# Altium PCB PiTopUSBHub.PcbDoc
Units mm, origin at the board's own origin, x right, y up, seen from the top; angles counter-clockwise.
Board outline 74.56 x 84.41 mm, 2 copper layers (Top Layer, Bottom Layer), stack 1.071 mm thick; 22 components, 22 nets, 119 pads, 23 vias.
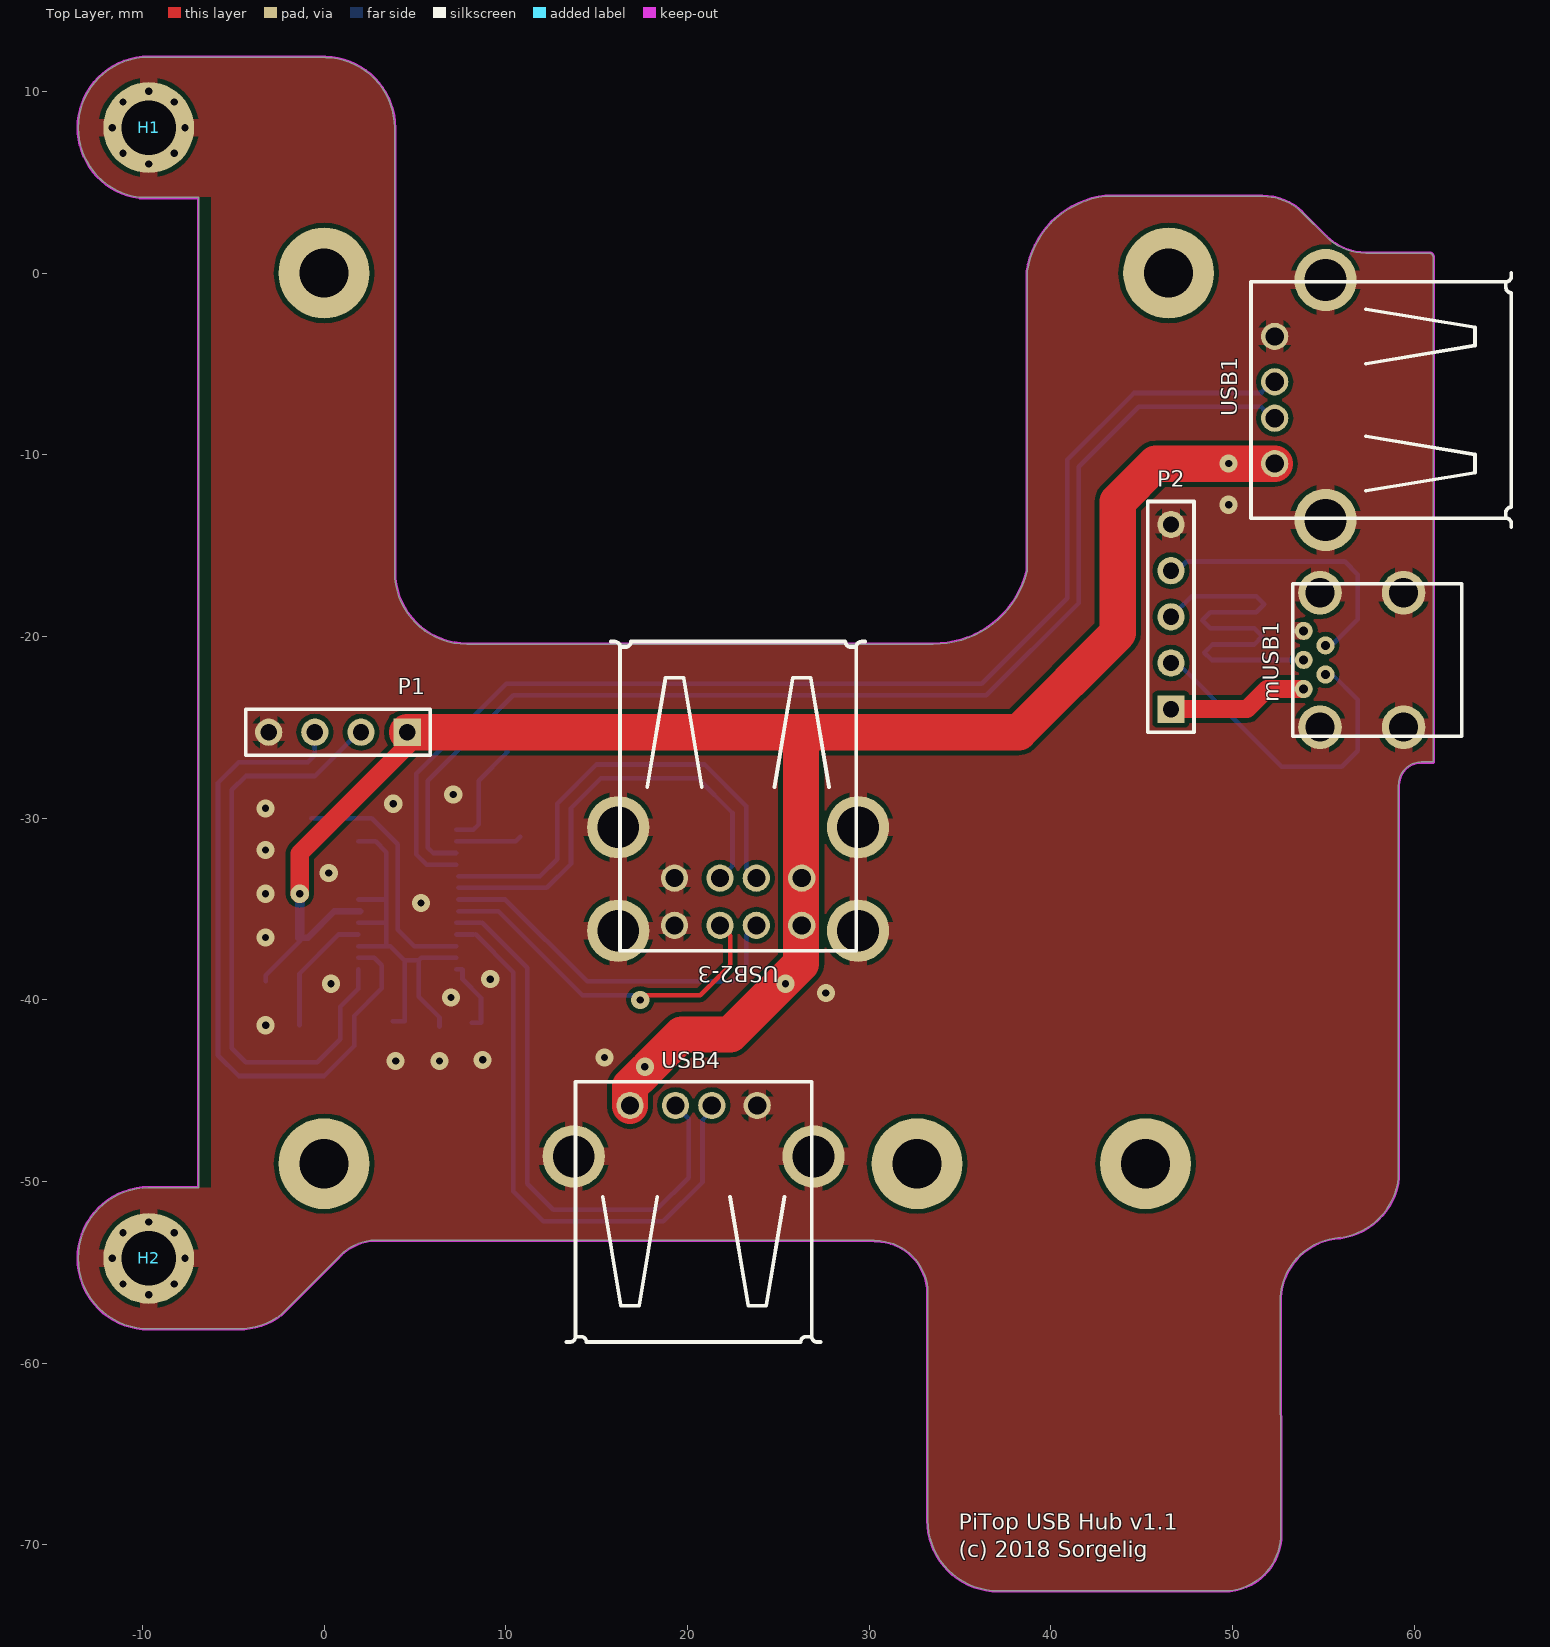
[diagram p0: Top Layer view]
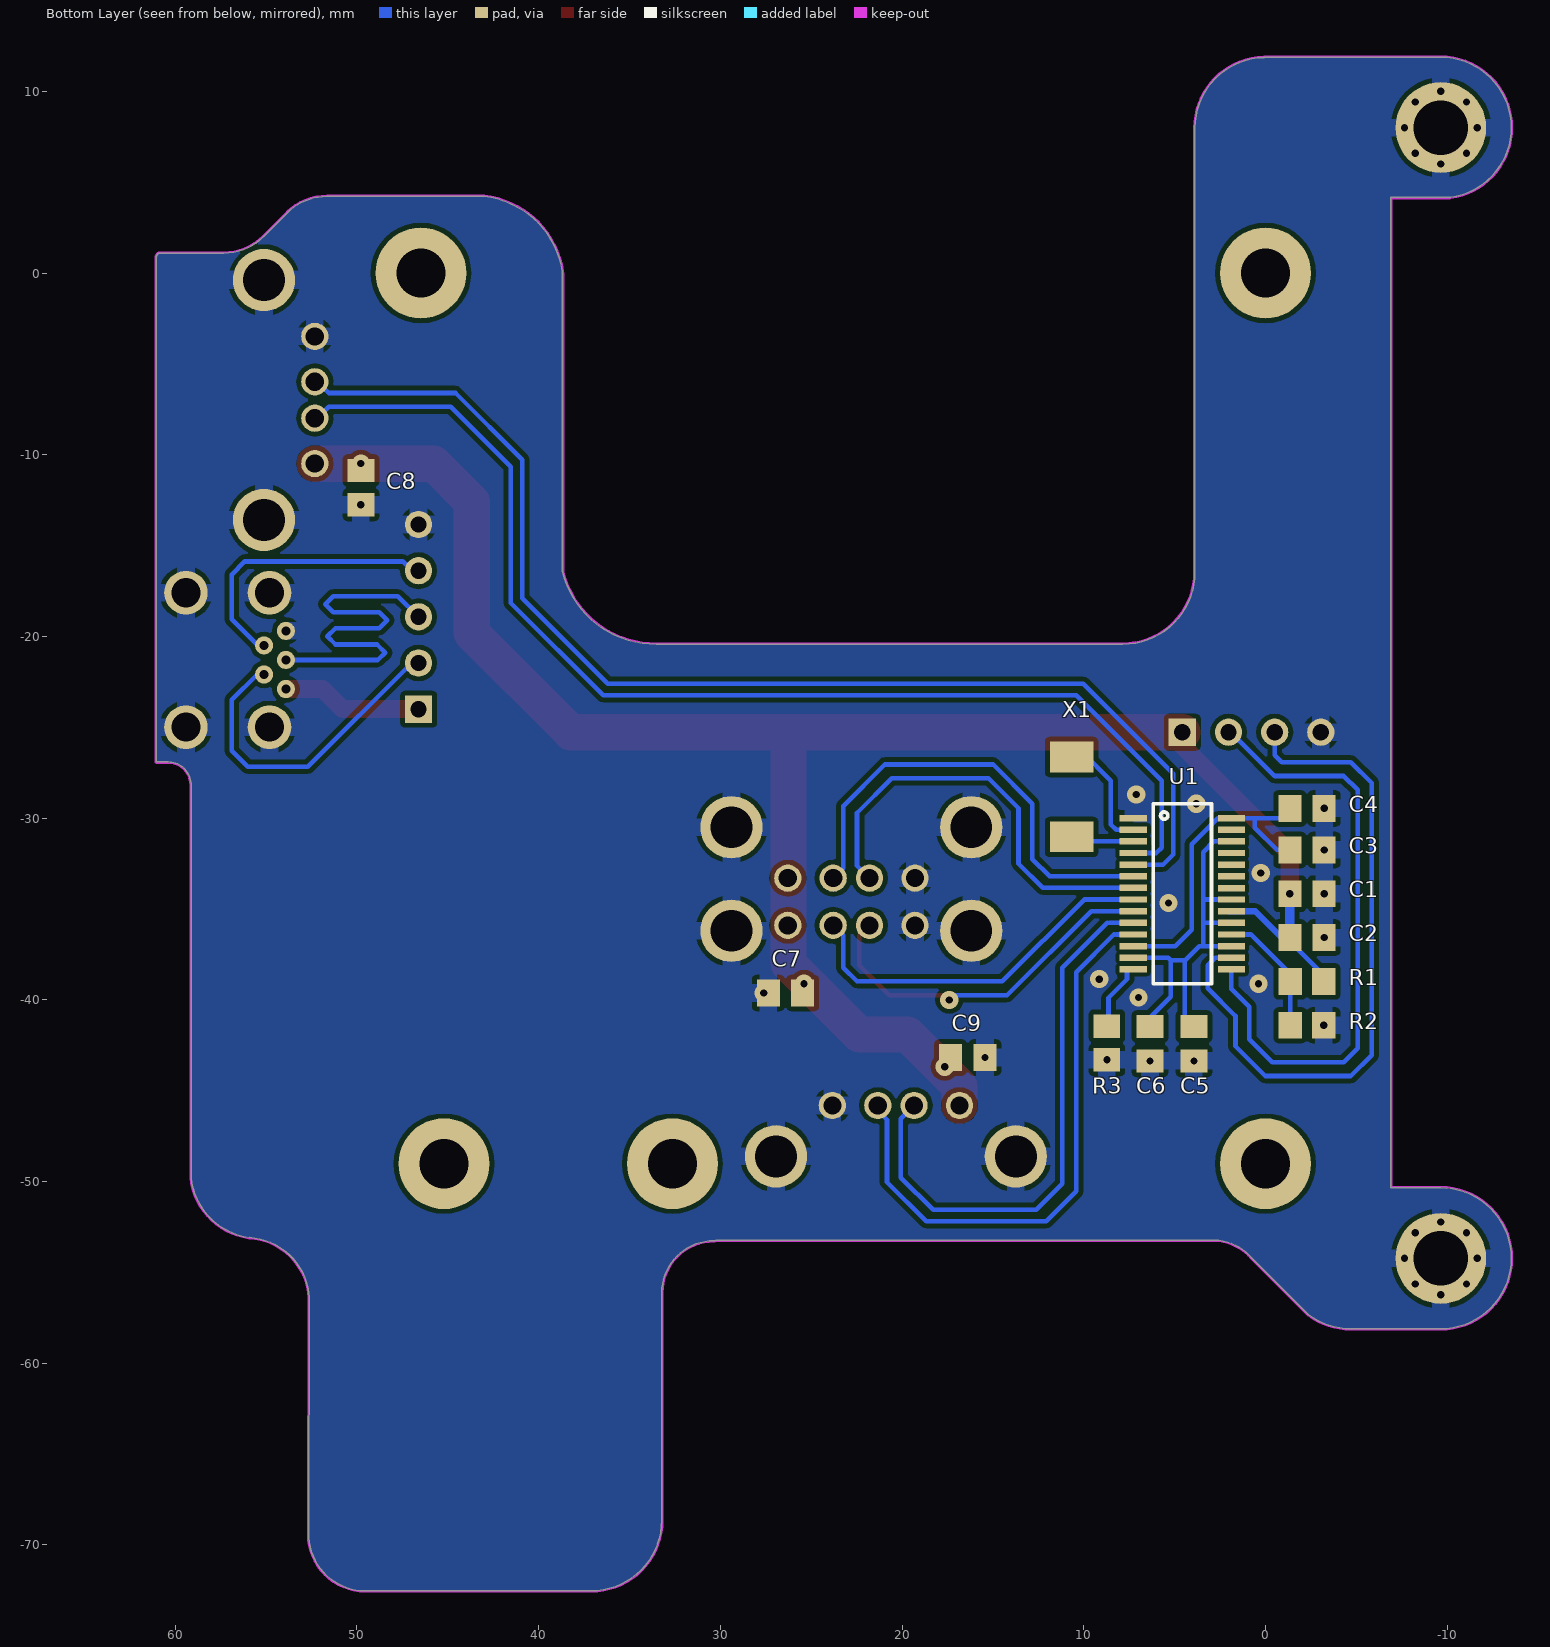
[diagram p1: Bottom Layer view, seen from below]
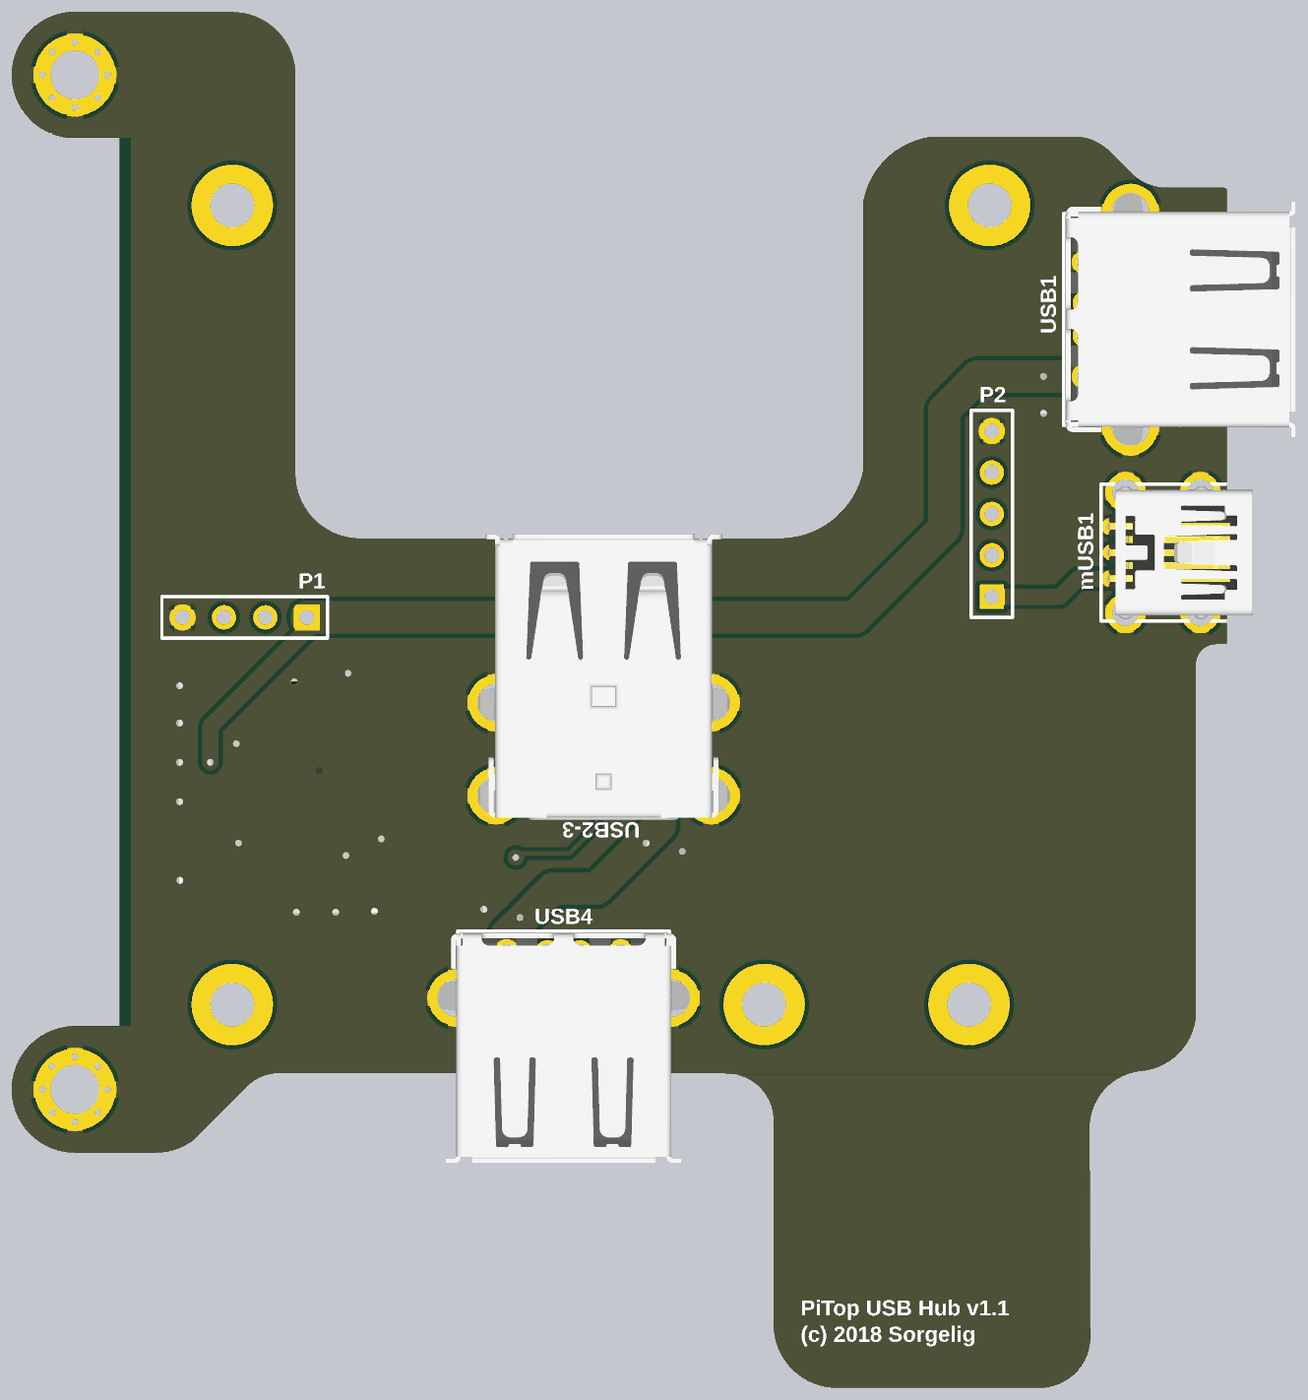
[diagram p2: 3D render of the assembled board from above, using the file's embedded part models]
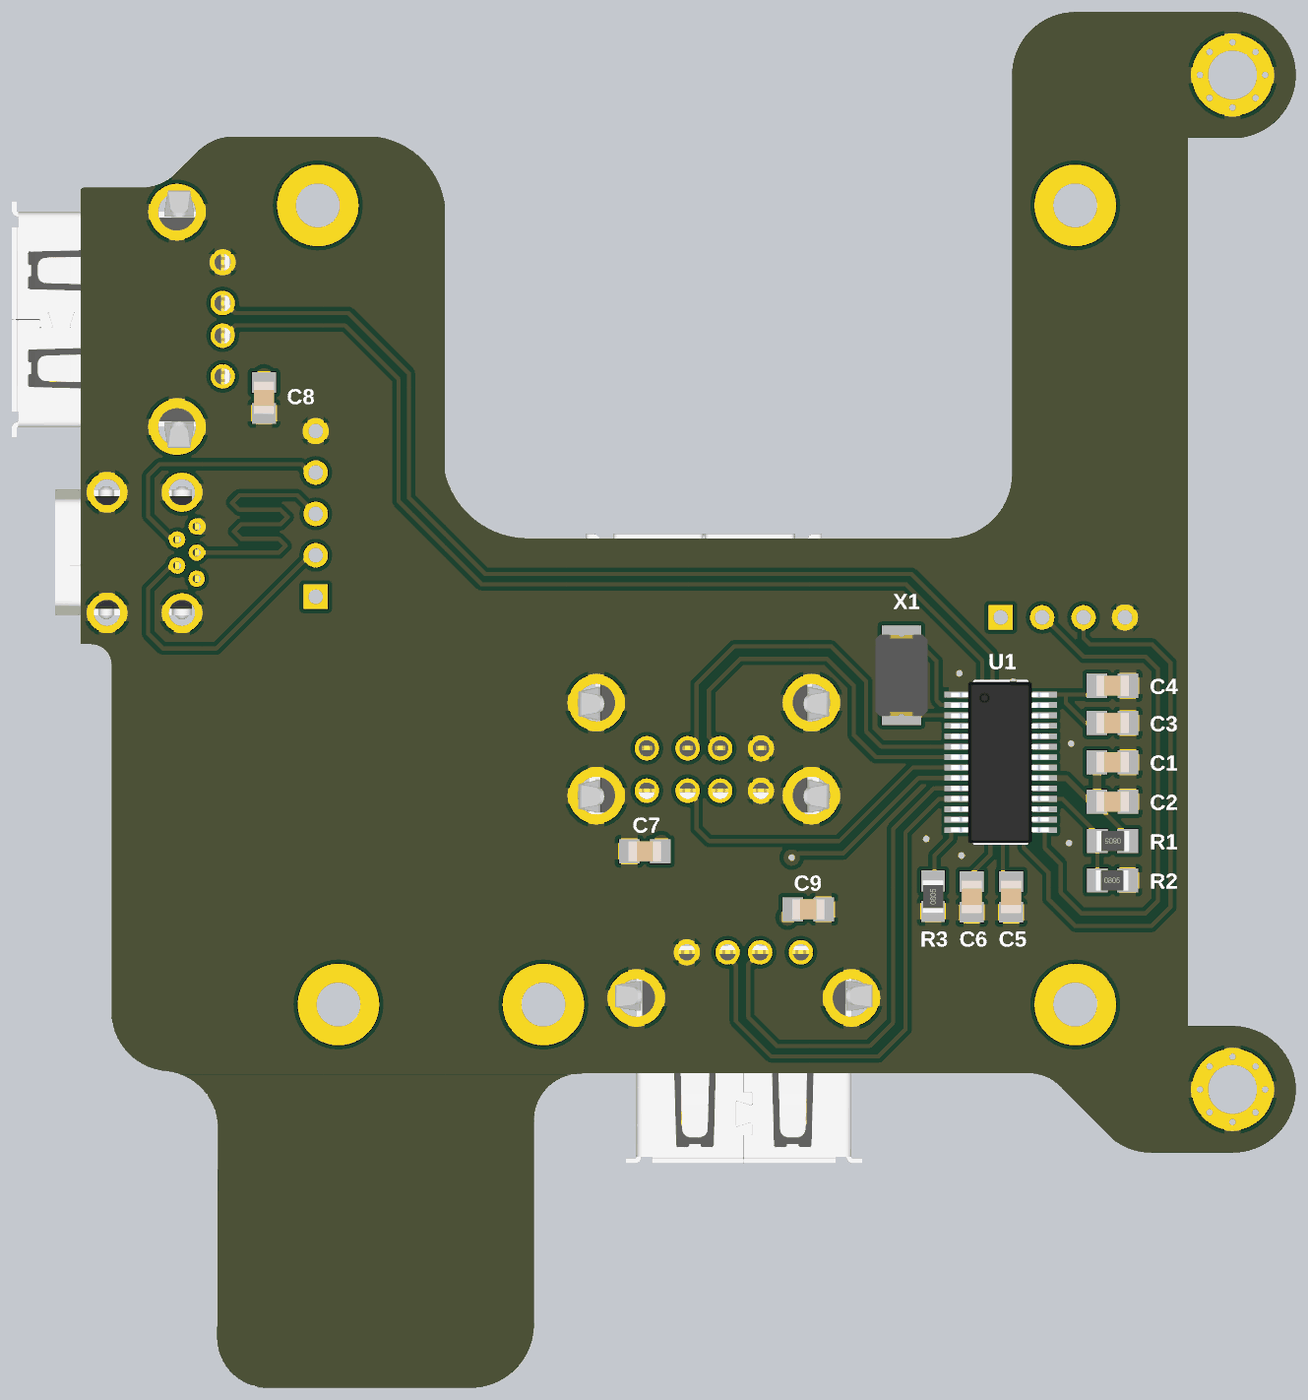
[diagram p3: 3D render of the assembled board from below, using the file's embedded part models]

## Layer stack, top to bottom
Top Solder: solder mask 0.0102, Solder Resist, Dk 3.5
Top Layer: signal copper 0.0356
Dielectric 1: dielectric 1, FR-4, Dk 4.8
Bottom Layer: signal copper 0.0356
Bottom Solder: solder mask 0.0102, Solder Resist, Dk 3.5

## Board outline
-9.652,-58.107 cw(c-9.652,-54.229) -13.53,-54.23 cw(c-9.644,-54.228) -9.652,-50.342 -6.905,-50.342 -6.905,4.159 -10.134,4.159 -10.148,4.159 cw(c-10.164,4.36) -10.192,4.161 cw(c-9.646,8.006) -13.53,8.001 cw(c-9.651,8) -9.66,11.879 0,11.879 cw(c0.001,11.683) 0.091,11.857 cw(c-0.001,7.979) 3.878,7.992 3.878,-16.462 ccw(c7.844,-16.459) 7.843,-20.426 33.495,-20.426 cw(c33.51,-20.553) 33.521,-20.425 ccw(c33.586,-15.177) 38.691,-16.398 38.691,0.007 cw(c39.088,0.007) 38.696,0.069 38.699,0.093 cw(c43.537,-0.649) 42.99,4.216 cw(c43.027,3.942) 43.022,4.218 cw(c43.045,3.949) 43.052,4.219 51.661,4.219 cw(c51.661,1.154) 53.829,3.321 55.162,1.988 ccw(c57.33,4.156) 57.33,1.09 58.955,1.09 60.833,1.09 cw(c60.833,0.889) 61.034,0.89 61.034,-26.912 60.397,-26.912 ccw(c60.397,-28.182) 59.127,-28.182 59.127,-28.906 59.127,-43.307 59.127,-49.784 cw(c55.44,-49.408) 55.933,-53.082 ccw(c56.142,-56.612) 52.612,-56.402 52.653,-69.341 cw(c49.544,-69.418) 49.543,-72.528 37.105,-72.528 cw(c37.105,-68.65) 33.227,-68.651 33.227,-56.134 ccw(c30.353,-56.134) 30.354,-53.26 cw(c30.347,-53.038) 30.257,-53.241 2.564,-53.241 ccw(c2.896,-56.039) 0.741,-54.225 -2.373,-57.332 cw(c-4.698,-54.233) -4.699,-58.107

## Design rules (kind name [scope] priority, off if disabled: settings)
BoardOutlineClearance [All] p1: gap=0 ignorepadtopadclearanceinfootprint=FALSE
Clearance keep-out_clearance [InNamedPolygon('ground') vs OnLayer('Keep-Out Layer')] p1: gap=0 ignorepadtopadclearanceinfootprint=FALSE
Clearance [(InComponent('U1') OR InComponent('U2'))] p2: gap=0.2 ignorepadtopadclearanceinfootprint=TRUE except(0: Arc-Hole Track-Hole SMDPad-Hole THPad-Hole Via-Hole Fill-Hole Poly-Hole Region-Hole Text-Hole)
Clearance Clearance_1 [All] p3: gap=0.254 ignorepadtopadclearanceinfootprint=TRUE except(0: Arc-Hole Track-Hole SMDPad-Hole THPad-Hole Via-Hole Fill-Hole Poly-Hole Region-Hole Text-Hole; 0.1: Arc-Arc Arc-Track Arc-SMDPad Track-Track Track-SMDPad)
ComponentClearance [All] p1 off: gap=0.254 collisioncheckmode=3 verticalgap=0.254 showdistances=FALSE
Height [All] p1 off: minheight=0 maxheight=25.4 prefheight=12.7
HoleSize [All] p1: absolutevalues=TRUE maxlimit=6 minlimit=0.025 maxpercent=80.000 minpercent=20.000
MinimumSolderMaskSliver [InComponent('U*')] p1: minsoldermaskwidth=0.2
MinimumSolderMaskSliver MinimumSolderMaskSliver_1 [All] p2: minsoldermaskwidth=0.25
PolygonConnect PolygonConnect_1 [InNet('NetFB*')] p1: connectstyle=Direct reliefconductorwidth=0.762 reliefentries=4 polygonreliefangle="90 Angle" airgapwidth=0.254
PolygonConnect PolygonConnect_2 [IsVia] p2: connectstyle=Direct reliefconductorwidth=0.762 reliefentries=4 polygonreliefangle="90 Angle" airgapwidth=0.254
PolygonConnect [not IsVia] p3: connectstyle=Relief reliefconductorwidth=1 reliefentries=4 polygonreliefangle="90 Angle" airgapwidth=0.254
RoutingVias [All] p1: holewidth=0.4 width=1 viastyle="Through Hole" minholewidth=0.4 minwidth=1 maxholewidth=0.4 maxwidth=1
SilkToSolderMaskClearance [IsPad] p1 off: minsilkscreentomaskgap=0.127 clearancetoexposedcopper=TRUE
SolderMaskExpansion SolderMaskExpansion_U1 [InComponent('U1')] p1: expansion=0
SolderMaskExpansion [All] p2: expansion=0.051
Width Width_power [InNetClass('power')] p1: maxlimit=2 minlimit=0.254 preferedwidth=0.508 minimp=50.000000 maximp=50.000000 favimp=50.000000
Width Width_signal [All] p2: maxlimit=2 minlimit=0.254 preferedwidth=0.254 minimp=50.000000 maximp=50.000000 favimp=50.000000
25 further rules are at their usual default settings.

## Classes and differential pairs
net class power: GND VCC

## Components (designator, comment, footprint, x,y, rotation, side; value= is the part's Value field where it differs from the comment)
C1 "C0805" C0805 -2.286,-34.163 r180 bottom value=10uF
C2 "C0805" C0805 -2.286,-36.576 r180 bottom value=0.1uF
C3 "C0805" C0805 -2.286,-31.75 r180 bottom value=10uF
C4 "C0805" C0805 -2.286,-29.464 r180 bottom value=0.1uF
C5 "C0805" C0805 3.937,-42.418 r270 bottom value=10uF
C6 "C0805" C0805 6.35,-42.418 r270 bottom value=0.1uF
C7 "C0805" C0805 26.416,-39.624 r0 bottom value=10uF
C8 "C0805" C0805 49.784,-11.811 r270 bottom value=10uF
C9 "C0805" C0805 16.383,-43.18 r180 bottom value=10uF
H1 "M3" M3 -9.652,8.001 r270 top
H2 "M3" M3 -9.652,-54.229 r270 top
mUSB1 "miniUSB-PTH" miniUSB-F-PTH 53.913,-21.296 r90 top
P1 "USB_IN" HDR1X4 4.572,-25.273 r180 top
P2 "UART" HDR1X5 46.609,-24.003 r90 top
R1 "47K" R0805 -2.286,-38.989 r0 bottom
R2 "100K" R0805 -2.286,-41.402 r180 bottom
R3 "2.7K" R0805 8.726,-42.375 r90 bottom
U1 "FE1.1S" FE1.1S_SSOP-28 4.572,-34.163 r270 bottom
USB1 "USBA-PTH" USB-A-F-PTH 57.718,-6.989 r90 top
USB2-3 "USBA2x-PTH" USB-A-2x-F-PTH 22.789,-27.904 r180 top
USB4 "USBA-PTH" USB-A-F-PTH 20.336,-51.217 r0 top locked
X1 "12MHz" XTAL_G5032 10.668,-28.829 r90 bottom

## Footprints (in the part's own frame and the unit in brackets; to place one, negate y for a bottom-side part, rotate by r counter-clockwise, add the part's x,y. Pads: shape width x height; smd on the part's side, far side on the other; paste and mask are expansions set on the pad)
C0805 [mm] "Capacitor, Chip; 2.35 mm L X 1.35 mm W X 1.00 mm H body"
  rect 1.27x1.48 smd: 1(-0.945,0) 2(0.945,0)
  body extent -1,-0.63 1,0.63, height 0.58
FE1.1S_SSOP-28 [mm] "FE1.1S_SSOP-28"
  rect 0.35x1.5 smd mask+0: 1(-4.16,-2.7) 2(-3.52,-2.7) 3(-2.88,-2.7) 4(-2.24,-2.7) 5(-1.6,-2.7) 6(-0.96,-2.7) 7(-0.32,-2.7) 8(0.32,-2.7) 9(0.96,-2.7) 10(1.6,-2.7) 11(2.24,-2.7) 12(2.88,-2.7) 13(3.52,-2.7) 14(4.16,-2.7) 15(4.16,2.7) 16(3.52,2.7) 17(2.88,2.7) 18(2.24,2.7) 19(1.6,2.7) 20(0.96,2.7) 21(0.32,2.7) 22(-0.3,2.7) 23(-0.96,2.7) 24(-1.6,2.7) 25(-2.24,2.7) 26(-2.88,2.7) 27(-3.52,2.7) 28(-4.16,2.7)
  silkscreen extent -4.95,-1.6 4.95,1.6, body extent -4.95,-3.05 4.95,2.95, height 1.65
HDR1X4 [mm] "Connector; Header; 4 Position"
  rect 1.5x1.5 hole 0.9: 1(0,0)
  round 1.5 hole 0.9: 2(2.54,0) 3(5.08,0) 4(7.62,0)
  silkscreen extent -1.27,-1.27 8.89,1.27
HDR1X5 [mm] "Connector; Header; 5 Position"
  rect 1.5x1.5 hole 0.9: 1(0,0)
  round 1.5 hole 0.9: 2(2.54,0) 3(5.08,0) 4(7.62,0) 5(10.16,0)
  silkscreen extent -1.27,-1.27 11.43,1.27
M3 [mm] "Mounting Hole, Plated; 5.00 mm Pad, 3.00 mm Hole (with 8 vias)"
  round 0.6 hole 0.4 paste-0.6 mask-0.6: 1(-2,0) 1(-1.41,1.41) 1(-1.41,-1.41) 1(0,2) 1(1.41,1.41) 1(1.41,-1.41) 1(2,0)
  round 5 hole 3: 1(0,0)
  round 0.6 hole 0.4 paste-0.4 mask-0.4: 1(0,-2)
miniUSB-F-PTH [mm] "miniUSB-F-PTH"
  round 1 hole 0.5: D+(0,0) D-(-0.8,-1.2) GND(1.6,0) ID(0.8,-1.2) VBUS(-1.6,0)
  round 2.4 hole 1.6: GND(-3.7,-5.5) GND(-3.7,-0.9) GND(3.7,-5.5) GND(3.7,-0.9)
  silkscreen extent -4.2,-8.7 4.2,0.6, body extent -4.08,-8.7 4.07,0.13, height 3.95
R0805 [mm] "Resistor, Chip; 2.32 mm L X 1.25 mm W X 1.00 mm H body"
  rect 1.29x1.47 smd: 1(-0.93,0) 2(0.93,0)
  body extent -1.03,-0.62 0.97,0.63, height 0.42
USB-A-2x-F-PTH [mm] "USB-A-2x-F-PTH"
  round 1.5 hole 1: D1+(1,5.4) D1-(-1,5.4) D2+(1,8) D2-(-1,8) GND(3.5,5.4) GND(3.5,8) VBUS(-3.5,5.4) VBUS(-3.5,8)
  round 3.429 hole 2.3: GND(-6.6,8.3) GND(-6.6,2.6) GND(6.6,8.3) GND(6.6,2.6)
  silkscreen extent -7,-7.62 7,9.4, body extent -7.7,-7.73 7.7,9.8, height 3.15
USB-A-F-PTH [mm] "USB-A-F-PTH"
  round 1.5 hole 1: D+(1,5.4) D-(-1,5.4) GND(3.5,5.4) VBUS(-3.5,5.4)
  round 3.429 hole 2.3: GND(-6.6,2.6) GND(6.6,2.6)
  silkscreen extent -7,-7.62 7,6.7, body extent -7.9,-7.55 7.9,6.55, height 7.74
XTAL_G5032 [mm] "XTAL G5032"
  rect 1.7x2.4 smd: 1(-2.2,0) 2(2.2,0)
  body extent -2.5,-1.6 2.5,1.6, height 1.35

## Part data
C1 C2 C3 C4 C5 C6 C7 C8 C9: "Ceramic Chip Capacitor - Standard", PackageDocument=Mar-2001, Code_IPC=2012[0805], Code_JEITA=0805, ComponentLink1Description="Manufacturer Link", ComponentLink1URL=http://www.kemet.com/, ComponentLink2Description=Datasheet, ComponentLink2URL=http://www.kemet.com/kemet/web/homepage/kechome.nsf/vapubfilesname/F3102TA.pdf/$file/F3102TA.pdf, DatasheetDocument=Mar-2001, LatestRevisionDate=19-Mar-2004, LatestRevisionNote="Silkscreen size reduced.", Note="Footprint corresponds to dimensions for bulk cassette packaging. This case size has tightened tolerances.", PackageReference=0805, Published=17-Jul-2002, Publisher="Altium Limited"
mUSB1: library part miniUSBA-PTH, USB=USB
P1: library part "Header 4", "Header, 4-Pin", LatestRevisionDate=17-Jul-2002, LatestRevisionNote="Re-released for DXP Platform.", Publisher="Altium Limited"
P2: library part "Header 5", "Header, 5-Pin", LatestRevisionDate=17-Jul-2002, LatestRevisionNote="Re-released for DXP Platform.", Publisher="Altium Limited"
R1 R2 R3: library part ERJ6RS, "Low Ohmic Value Thick Film Chip Resistor, 0.1 Ohm to 0.2 Ohm Range, 1%, 2% and 5% Tolerance, 0805 Size, 0.125 W", PackageDocument=Mar-2003, Code_IPC="2012 [0805]", ComponentLink1Description="Manufacturer Link", ComponentLink1URL=http://www.panasonic.com/industrial/components/resistive_products.htm, ComponentLink2Description=Datasheet, ComponentLink2URL=http://www.panasonic.com/industrial/components/pdf/AOA0000CE3.pdf, LatestRevisionDate=19-Mar-2004, LatestRevisionNote="Silkscreen size reduced.", PackageReference=6-0805, Published=17-Dec-2003, Publisher="Altium Limited"
X1: library part CRYSTALHC49UP, "PTH: ...   SMD: ...   Cylinder: CMR200T-32.768KDZBT"
U1: FE1.1s=FE1.1s
USB1 USB2-3 USB4: USB=USB

## Free pads (board coordinates)
  round 5 hole 2.7: ""(0,-49.022) ""(0,0) ""(32.639,-49.022) ""(45.212,-49.022) ""(46.482,0)

## Via types
v1: diameter 1, hole 0.4, Top Layer to Bottom Layer, tented both sides, 23 vias

## Nets (pads, with @x,y where several pads share a name; then routed paths per layer and width w, separated by ;. In a path a pad name is that pad's centre, name@x,y a point inside that pad or via, vN(x,y) a via of type N, cw(c..) or ccw(c..) an arc to the next point about the centre after c; other vN are vias at no path point)
GND: C1.2 C2.2 C3.2 C4.2 C5.2 C6.2 C7.2 C8.2 C9.2 H1.1 H2.1 mUSB1.GND P1.4 P2.5 R2.2 R3.1 U1.1 USB1.GND USB2-3.GND USB4.GND
  other v1: 3.937,-43.363 6.35,-43.363 8.726,-43.305 15.438,-43.18 -3.216,-41.402 6.985,-39.878 27.615,-39.624 0.381,-39.116 9.144,-38.862 -3.231,-36.576 5.334,-34.671 -3.231,-34.163 0.254,-33.02 -3.231,-31.75 -3.231,-29.464 3.81,-29.21 7.112,-28.702 49.784,-12.756
NetC3_1: C3.1 C4.1 U1.12 U1.28 | length 16.7
  Bottom Layer w0.254: C3.1@-1.341,-31.877 C3.1 -0.635,-31.75 0.583,-30.532 0.583,-30.003 ; -0.706,-30.003 0.583,-30.003 ; U1.12 4.968,-37.043 4.064,-36.139 4.064,-31.448 2.619,-30.003 U1.28 0.583,-30.003
NetC5_1: C5.1 C6.1 U1.13 U1.17 U1.19 U1.21 U1.26 | length 24
  Bottom Layer w0.254: U1.17 3.429,-37.043 ; U1.19 3.378,-35.763 3.429,-35.814 ; U1.21 3.368,-34.483 3.429,-34.544 ; U1.26 2.835,-31.283 3.429,-31.877 3.429,-34.544 ; C5.1@3.775,-41.183 4.445,-41.183 4.445,-37.817 5.207,-37.817 ; 4.416,-37.817 3.642,-37.043 3.429,-37.043 ; C6.1 6.35,-40.967 5.207,-39.824 5.207,-37.817 ; U1.13 5.341,-37.683 5.207,-37.817 ; 3.429,-37.043 3.429,-35.814 ; 3.429,-35.814 3.429,-34.544
NetmUSB1_D+: mUSB1.D+ P2.3 | length 22.2
  Bottom Layer w0.254: P2.3 47.752,-17.78 51.308,-17.78 51.752,-18.224 51.308,-18.669 48.768,-18.669 48.323,-19.113 48.768,-19.558 51.181,-19.558 51.625,-20.002 51.181,-20.447 48.895,-20.447 48.45,-20.891 48.855,-21.296 mUSB1.D+@53.659,-21.296
NetmUSB1_D-: mUSB1.D- P2.2 | length 18.4
  Bottom Layer w0.254: P2.2 46.99,-21.463 52.705,-27.178 56.007,-27.178 56.896,-26.289 56.896,-23.495 55.497,-22.096 mUSB1.D- mUSB1.D-@54.859,-22.096
NetmUSB1_ID: mUSB1.ID P2.4 | length 15.9
  Bottom Layer w0.254: P2.4 46.98,-16.383 47.488,-15.875 56.175,-15.875 56.896,-16.596 56.896,-19.05 55.45,-20.496 mUSB1.ID mUSB1.ID@54.859,-20.496
NetmUSB1_VBUS: mUSB1.VBUS P2.1 | length 7.5
  Top Layer w1: P2.1 50.8,-24.003 51.907,-22.896 mUSB1.VBUS@53.659,-22.896
NetP1_2: P1.2 U1.15 | length 33.7
  Bottom Layer w0.254: U1.15 1.872,-39.403 0.889,-40.386 0.889,-42.164 -0.381,-43.434 -4.318,-43.434 -5.08,-42.672 -5.08,-28.448 -4.318,-27.686 -0.508,-27.686 1.905,-25.273 P1.2
NetP1_3: P1.3 U1.16 | length 37.4
  Bottom Layer w0.254: P1.3 -0.508,-26.543 -0.889,-26.924 -4.699,-26.924 -5.842,-28.067 -5.842,-43.053 -4.699,-44.196 0,-44.196 1.651,-42.545 1.651,-40.894 3.175,-39.37 3.175,-38.1 2.758,-37.683 U1.16
NetR1_2: R1.2 R2.1 U1.18 | length 7
  Bottom Layer w0.254: R2.1 R1.2 -1.356,-38.567 0.808,-36.403 U1.18
NetR3_2: R3.2 U1.14 | length 4.2
  Bottom Layer w0.254: U1.14 7.589,-38.323 7.62,-38.354 7.62,-38.862 8.636,-39.878 8.636,-41.273 R3.2@8.127,-41.273
NetU1_2: U1.2 X1.2 | length 6.3
  Bottom Layer w0.254: U1.2 8.219,-30.643 8.509,-30.353 8.509,-27.94 10.068,-26.381 X1.2@10.068,-26.067
NetU1_3: U1.3 X1.1 | length 3.6
  Bottom Layer w0.254: U1.3 10.541,-31.283 X1.1@10.795,-31.029
NetU1_4: U1.4 USB1.D- | length 64.5
  Bottom Layer w0.254: U1.4 6.015,-31.923 5.715,-31.623 5.715,-27.94 10.414,-23.241 36.449,-23.241 41.529,-18.161 41.529,-10.668 44.831,-7.366 51.562,-7.366 USB1.D-@51.807,-7.611
NetU1_5: U1.5 USB1.D+ | length 66.8
  Bottom Layer w0.254: U1.5 5.639,-32.563 5.08,-32.004 5.08,-27.559 10.033,-22.606 36.195,-22.606 40.894,-17.907 40.894,-10.287 44.577,-6.604 51.562,-6.604 USB1.D+@51.803,-6.363
NetU1_6: U1.6 USB2-3.D1- | length 25.9
  Bottom Layer w0.254: U1.6@7.399,-33.203 11.882,-33.203 12.827,-32.258 12.827,-29.21 14.986,-27.051 20.955,-27.051 23.241,-29.337 23.241,-32.756 USB2-3.D1- ; USB2-3.D1-@23.368,-33.528 USB2-3.D1-@23.749,-33.909
NetU1_7: U1.7 USB2-3.D1+ | length 24
  Bottom Layer w0.254: U1.7@7.399,-33.843 12.258,-33.843 13.589,-32.512 13.589,-29.464 15.24,-27.813 20.574,-27.813 22.479,-29.718 22.479,-32.614 USB2-3.D1+
NetU1_8: U1.8 USB2-3.D2- | length 20.6
  Bottom Layer w0.254: U1.8@7.399,-34.483 9.972,-34.483 14.478,-38.989 22.479,-38.989 23.241,-38.227 23.241,-36.452 USB2-3.D2-
NetU1_9: U1.9 USB2-3.D2+ | length 20.2
  Top Layer w0.254: v1(17.399,-40.005) 17.526,-40.005 17.78,-39.751 20.701,-39.751 22.352,-38.1 22.352,-36.467 USB2-3.D2+
  Bottom Layer w0.254: U1.9@7.399,-35.123 9.596,-35.123 14.224,-39.751 17.018,-39.751 17.272,-40.005 v1(17.399,-40.005)
NetU1_10: U1.10 USB4.D- | length 31.2
  Bottom Layer w0.254: U1.10 8.585,-35.763 ; 8.712,-35.763 11.176,-38.227 11.176,-50.124 12.614,-51.562 18.288,-51.562 20.066,-49.784 20.066,-46.547 USB4.D-
NetU1_11: U1.11 USB4.D+ | length 32.6
  Bottom Layer w0.254: U1.11 8.209,-36.403 ; 8.336,-36.403 10.414,-38.481 10.414,-50.546 12.065,-52.197 18.669,-52.197 20.828,-50.038 20.828,-46.609 USB4.D+@21.336,-46.101 ; USB4.D+@21.336,-45.847 USB4.D+@21.336,-46.101 ; USB4.D+ USB4.D+@21.336,-46.101
VCC: C1.1 C2.1 C7.1 C8.1 C9.1 P1.1 R1.1 U1.20 USB1.VBUS USB2-3.VBUS USB4.VBUS | length 104.7
  Top Layer w1: v1(-1.341,-34.163) -1.341,-31.948 5.334,-25.273
  Top Layer w2: P1.1 5.334,-25.273 38.227,-25.273 43.688,-19.812 43.688,-12.573 45.772,-10.489 v1(49.784,-10.489) USB1.VBUS ; USB4.VBUS@16.836,-45.847 16.836,-44.759 v1@17.653,-43.942 ; v1@17.907,-43.688 19.685,-41.91 22.352,-41.91 26.249,-38.013 26.249,-25.654
  Bottom Layer w0.254: R1.1 -3.216,-38.649 -1.341,-36.774 C2.1
  Bottom Layer w0.35: C2.1 -0.889,-36.576 0.553,-35.134 U1.20@1.988,-35.134
  Bottom Layer w0.508: C2.1 v1(-1.341,-34.163) ; USB4.VBUS USB4.VBUS@16.947,-45.706
  other v1: 17.653,-43.688 25.4,-39.116
pads on no net: U1.22 U1.23 U1.24 U1.25 U1.27

## Polygon pours and split planes (outlines as drawn)
GND on Top Layer "ground" (solid, remove dead copper, pour order 67): -9.652,-58.107 cw(c-9.652,-54.229) -13.53,-54.23 cw(c-9.644,-54.228) -9.652,-50.342 -6.223,-50.342 -6.223,4.159 -10.134,4.159 -10.148,4.159 cw(c-10.164,4.36) -10.192,4.161 cw(c-9.646,8.006) -13.53,8.001 cw(c-9.651,8) -9.66,11.879 0,11.879 cw(c0.001,11.683) 0.091,11.857 cw(c-0.001,7.979) 3.878,7.992 3.878,-16.462 ccw(c7.845,-16.459) 7.843,-20.426 33.495,-20.426 cw(c33.511,-20.553) 33.521,-20.425 ccw(c33.586,-15.177) 38.691,-16.398 38.691,0.007 cw(c39.089,0.007) 38.696,0.069 38.699,0.093 cw(c43.537,-0.649) 42.99,4.216 cw(c43.028,3.943) 43.022,4.218 cw(c43.047,3.95) 43.052,4.219 51.661,4.219 cw(c51.661,1.154) 53.829,3.321 55.162,1.988 ccw(c57.33,4.156) 57.33,1.09 58.955,1.09 60.833,1.09 cw(c60.833,0.889) 61.034,0.89 61.034,-26.912 60.397,-26.912 ccw(c60.397,-28.182) 59.127,-28.182 59.127,-28.906 59.127,-43.307 59.127,-49.784 cw(c55.44,-49.408) 55.933,-53.082 ccw(c56.142,-56.612) 52.612,-56.402 52.653,-69.341 cw(c49.544,-69.418) 49.543,-72.528 37.105,-72.528 cw(c37.105,-68.65) 33.227,-68.651 33.227,-56.134 ccw(c30.353,-56.134) 30.354,-53.26 cw(c30.347,-53.038) 30.257,-53.241 2.564,-53.241 ccw(c2.896,-56.039) 0.741,-54.225 -2.373,-57.332 cw(c-4.698,-54.233) -4.699,-58.107
GND on Bottom Layer "ground" (solid, remove dead copper, pour order 68): -9.652,-58.107 cw(c-9.652,-54.229) -13.53,-54.23 cw(c-9.644,-54.228) -9.652,-50.342 -6.905,-50.342 -6.905,4.159 -10.134,4.159 -10.148,4.159 cw(c-10.164,4.36) -10.192,4.161 cw(c-9.646,8.006) -13.53,8.001 cw(c-9.651,8) -9.66,11.879 0,11.879 cw(c0.001,11.683) 0.091,11.857 cw(c-0.001,7.979) 3.878,7.992 3.878,-16.462 ccw(c7.845,-16.459) 7.843,-20.426 33.495,-20.426 cw(c33.511,-20.553) 33.521,-20.425 ccw(c33.586,-15.177) 38.691,-16.398 38.691,0.007 cw(c39.089,0.007) 38.696,0.069 38.699,0.093 cw(c43.537,-0.649) 42.99,4.216 cw(c43.028,3.941) 43.022,4.218 cw(c43.047,3.948) 43.052,4.219 51.661,4.219 cw(c51.661,1.154) 53.829,3.321 55.162,1.988 ccw(c57.33,4.156) 57.33,1.09 58.955,1.09 60.833,1.09 cw(c60.833,0.889) 61.034,0.89 61.034,-26.912 60.397,-26.912 ccw(c60.397,-28.182) 59.127,-28.182 59.127,-28.906 59.127,-43.307 59.127,-49.784 cw(c55.44,-49.408) 55.933,-53.082 ccw(c56.142,-56.612) 52.612,-56.402 52.653,-69.341 cw(c49.544,-69.418) 49.543,-72.528 37.105,-72.528 cw(c37.105,-68.65) 33.227,-68.651 33.227,-56.134 ccw(c30.353,-56.134) 30.354,-53.26 cw(c30.347,-53.038) 30.257,-53.241 2.564,-53.241 ccw(c2.896,-56.039) 0.741,-54.225 -2.373,-57.332 cw(c-4.698,-54.233) -4.699,-58.107

## Keep-outs
Keep-Out Layer:
  lines w0.1: 30.354,-53.31 cw(c30.353,-56.134) 30.355,-53.31 ; 55.939,-53.132 ccw(c55.44,-49.408) 55.94,-53.131 ; -13.58,-54.23 cw(c-9.652,-54.229) -13.58,-54.23 ; -13.58,-54.23 ccw(c-9.652,-54.229) -9.652,-58.157 ; -13.58,-54.23 cw(c-13.53,-54.23) -13.58,-54.23 ; -13.58,-54.23 cw(c-9.644,-54.228) -9.656,-50.293 cw(c-9.652,-50.342) -9.652,-50.292 -6.955,-50.292 -6.955,4.109 -10.134,4.109 ; -13.58,8.001 ccw(c-9.646,8.006) -10.2,4.111 ; -13.58,8.001 ccw(c-13.53,8.001) -13.58,8.001 ; -13.58,8.001 ccw(c-13.53,8.001) -13.58,8.001 ; -13.58,8.001 cw(c-9.651,8) -9.664,11.928 cw(c-9.66,11.879) -9.66,11.929 0,11.929 ; -10.2,4.111 ccw(c-10.192,4.161) -10.199,4.111 ; -10.2,4.111 ccw(c-9.646,8.006) -10.199,4.111 ; -10.199,4.111 ccw(c-10.164,4.36) -10.147,4.109 -10.136,4.109 ; -10.136,4.109 ccw(c-10.134,4.159) -10.136,4.109 ; -10.136,4.109 ccw(c-10.134,4.159) -10.134,4.109 ; -10.136,4.109 ccw(c-10.134,4.159) -10.134,4.109 ; -10.136,4.109 -10.136,4.109 ; -10.136,4.109 -10.136,4.109 ; -9.652,-58.157 ccw(c-9.652,-54.229) -9.652,-58.157 ; -9.652,-58.157 -9.652,-58.157 ; -9.652,-58.157 -4.699,-58.157 ccw(c-4.698,-54.233) -2.343,-57.372 ; -2.343,-57.372 ccw(c-2.373,-57.332) -2.338,-57.367 ; -2.343,-57.372 ccw(c-2.373,-57.332) -2.338,-57.367 ; -2.338,-57.367 0.776,-54.26 ; 0,11.929 ccw(c0,11.879) 0,11.929 ; 0,11.929 cw(c0.001,11.683) 0.103,11.907 cw(c-0.001,7.979) 3.927,7.997 cw(c3.878,7.992) 3.928,7.992 3.928,-16.462 ccw(c7.844,-16.459) 7.843,-20.376 ; 0,11.929 ccw(c0.001,11.683) 0,11.929 ; 0,11.929 ccw(c0.001,11.683) 0,11.929 ; 0.776,-54.26 ccw(c0.741,-54.225) 0.779,-54.257 ; 0.776,-54.26 ccw(c0.741,-54.225) 0.779,-54.257 ; 0.776,-54.26 0.776,-54.26 ; 0.779,-54.257 cw(c2.896,-56.039) 2.567,-53.291 30.247,-53.291 ccw(c30.347,-53.038) 30.355,-53.31 ; 7.843,-20.376 ccw(c7.843,-20.426) 7.843,-20.376 ; 7.843,-20.376 ccw(c7.843,-20.426) 7.843,-20.376 ; 7.843,-20.376 ccw(c7.843,-20.426) 7.843,-20.376 ; 7.843,-20.376 33.492,-20.376 cw(c33.51,-20.553) 33.52,-20.375 cw(c33.521,-20.425) 33.521,-20.375 ccw(c33.586,-15.177) 38.641,-16.392 38.641,0.007 cw(c39.088,0.007) 38.646,0.076 ; 30.355,-53.31 cw(c30.353,-56.134) 33.177,-56.134 cw(c30.353,-56.134) 33.177,-56.134 ; 33.177,-68.651 ccw(c33.227,-68.651) 33.177,-68.651 ; 33.177,-68.651 ccw(c33.227,-68.651) 33.177,-68.651 ; 33.177,-68.651 ccw(c33.227,-68.651) 33.177,-68.651 ; 33.177,-68.651 ccw(c33.227,-68.651) 33.177,-68.651 ; 33.177,-68.651 ccw(c37.105,-68.65) 37.105,-72.578 ; 33.177,-68.651 33.177,-68.651 ; 33.177,-68.651 33.177,-56.135 ; 33.177,-56.134 ccw(c33.227,-56.134) 33.177,-56.135 ; 33.177,-56.135 33.177,-56.134 ; 37.105,-72.578 ccw(c37.105,-68.65) 37.105,-72.578 ; 37.105,-72.578 37.105,-72.578 ; 37.105,-72.578 49.543,-72.578 ccw(c49.544,-69.418) 52.704,-69.418 ccw(c49.544,-69.418) 52.703,-69.34 ; 38.646,0.075 38.646,0.076 ; 38.646,0.076 38.649,0.099 ; 38.649,0.099 cw(c38.699,0.093) 38.649,0.1 ; 38.649,0.099 cw(c38.699,0.093) 38.649,0.1 ; 38.649,0.1 cw(c43.537,-0.649) 42.981,4.265 cw(c42.99,4.216) 42.984,4.265 cw(c43.027,3.942) 43.016,4.268 cw(c43.022,4.218) 43.017,4.268 cw(c43.045,3.949) 43.049,4.269 cw(c43.052,4.219) 43.052,4.269 51.661,4.269 ; 51.661,4.269 ccw(c51.661,4.219) 51.661,4.269 ; 51.661,4.269 cw(c51.661,1.154) 53.861,3.359 cw(c53.829,3.321) 53.864,3.357 55.197,2.023 ; 51.661,4.269 ccw(c51.661,1.154) 51.661,4.269 ; 52.703,-69.341 ccw(c52.653,-69.341) 52.703,-69.341 ; 52.703,-69.341 52.703,-69.34 ; 52.703,-69.34 ccw(c49.544,-69.418) 52.703,-69.34 ; 52.703,-69.34 52.662,-56.404 cw(c56.142,-56.612) 55.936,-53.132 ccw(c55.933,-53.082) 55.94,-53.131 ; 55.198,2.023 ccw(c57.33,4.156) 55.198,2.023 ; 55.198,2.023 ccw(c55.162,1.988) 55.197,2.023 ; 55.198,2.023 cw(c55.162,1.988) 55.198,2.023 ; 55.197,2.023 55.198,2.023 ; 55.198,2.023 ccw(c57.33,4.156) 57.33,1.14 ; 55.94,-53.131 ccw(c55.44,-49.408) 59.177,-49.79 ; 57.33,1.14 ccw(c57.33,1.09) 57.33,1.14 ; 57.33,1.14 ccw(c57.33,1.09) 57.33,1.14 ; 57.33,1.14 58.955,1.14 ; 58.955,1.14 ccw(c58.955,1.09) 58.955,1.14 ; 58.955,1.14 ccw(c58.955,1.09) 58.955,1.14 ; 58.955,1.14 60.833,1.14 ; 59.177,-49.79 ccw(c55.44,-49.408) 59.177,-49.789 ; 59.177,-49.79 ccw(c59.127,-49.784) 59.177,-49.784 ; 59.177,-49.789 ccw(c59.127,-49.784) 59.177,-49.784 ; 59.177,-49.784 59.177,-43.307 59.177,-28.906 59.177,-28.182 cw(c60.397,-28.182) 60.397,-26.962 61.034,-26.962 ; 60.833,1.14 cw(c60.833,0.889) 61.084,0.894 cw(c61.034,0.89) 61.084,0.89 61.084,-26.912 ; 60.833,1.14 ccw(c60.833,0.889) 60.833,1.14 ; 60.833,1.14 ccw(c60.833,1.09) 60.833,1.14 ; 61.034,-26.962 ccw(c61.034,-26.912) 61.084,-26.912 ; 61.034,-26.962 ccw(c61.034,-26.912) 61.084,-26.912

## Silkscreen, mask and mechanical layers (free items; w line width, h text height)
Top Overlay:
  text "PiTop USB Hub v1.1 / (c) 2018 Sorgelig" at 34.925,-70.993 h1.52

## Text inside footprints (layer, text, board x,y; h text height)
mUSB1: Mechanical 18 "AMP 787616-1" at 65.535,-16.736 h0.86 r270
U1: Mechanical 18 "FE1.1s" at 4.14,-36.843 h1.08 r270
USB1: Mechanical 18 "AMP 787616-1" at 63.84,-2.429 h0.86 r270
USB2-3: Mechanical 18 "AMP 787616-1" at 18.228,-21.782 h0.86
USB4: Mechanical 18 "AMP 787616-1" at 24.896,-57.339 h0.86 r180